# Altium PCB Kasli-DIOT.PCBDOC (part 5 of 21) (continued)
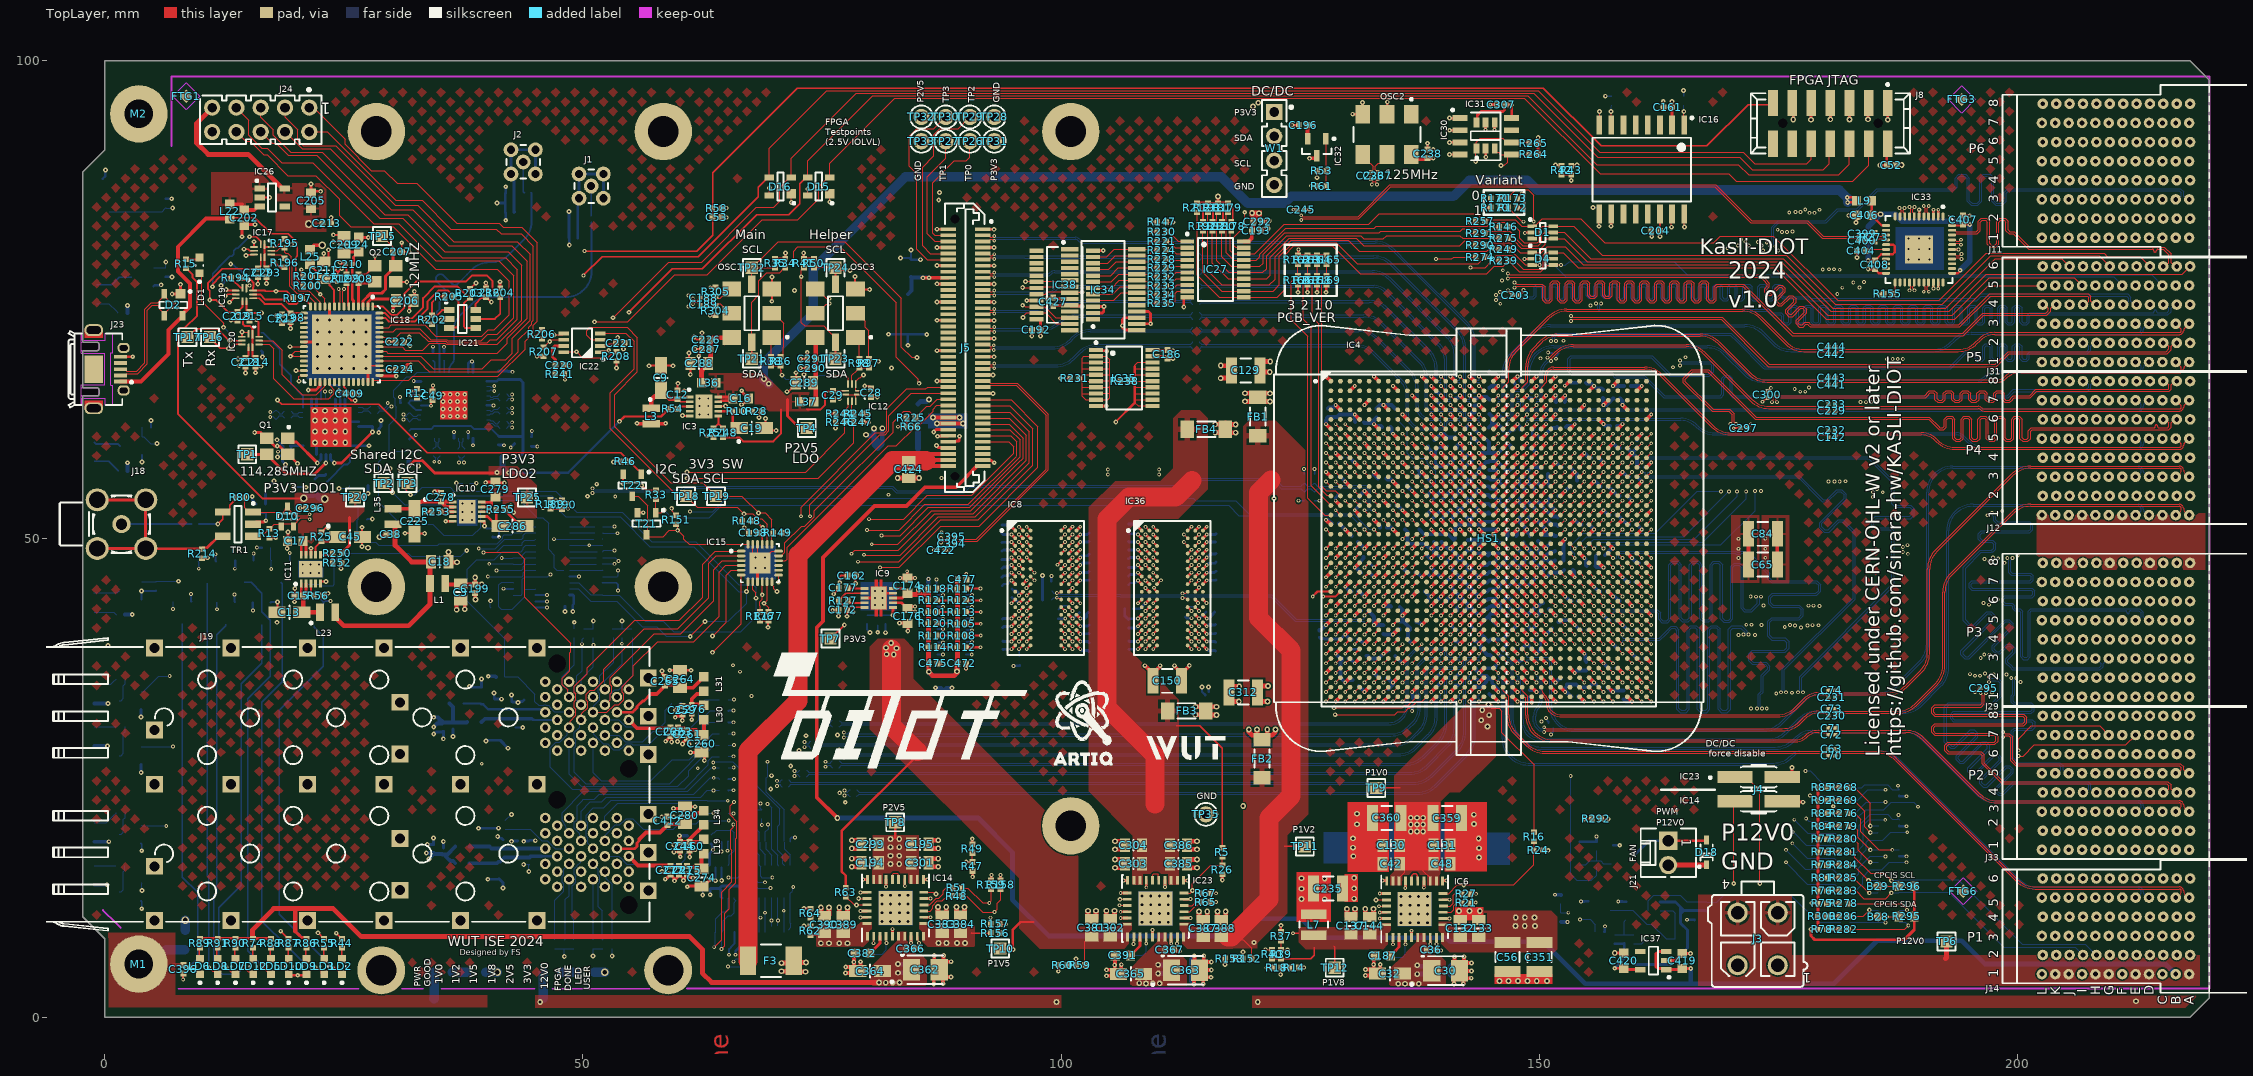
[diagram p0: TopLayer view]
## Nets (pads, with @x,y where several pads share a name; then routed paths per layer and width w, separated by ;. In a path a pad name is that pad's centre, name@x,y a point inside that pad or via, vN(x,y) a via of type N, cw(c..) or ccw(c..) an arc to the next point about the centre after c; other vN are vias at no path point) (continued)
  Layer 6 w0.127: v1(65.698,36.8) 65.713,36.815 68.385,36.815 70.675,34.525 74.663,34.525 81.013,28.175 134.306,28.175 138.25,32.119 138.25,42.102 138.703,42.555 139.255,42.555 v1(139.7,43)
CFG_TMS: D15.2 IC4.AE13 IC19.5 J8.4 | length 327.4
  TopLayer w0.125: v2(51.2,72.7) 52.953,72.7 52.968,72.685 54.685,72.685 59.6,77.6 62.975,77.6 68.75,83.375 72.475,83.375 74.675,85.575 74.675,86.845 75.363,87.533 75.363,87.563 75.6,87.8 D15.2@75.8,87.8
  TopLayer w0.127: D15.2@75.8,87.8 75.8,89.3 82.6,96.1 148.425,96.1 156.35,88.175 169.8,88.175 170.575,87.4 182.775,87.4 184.425,89.05 J8.4@184.425,91.325
  TopLayer w0.15: v2(13.05,74.75) 13.465,75.165 IC19.5@13.705,75.165
  TopLayer w0.24: v1(139.7,42) IC4.AE13@140.2,42.5
  Layer 3 w0.125: v2(13.05,74.75) 21.2,74.75 21.425,74.525 28.385,74.525 28.775,74.915 31.51,74.915 31.647,74.778 34.451,74.778 36.43,72.799 40.076,72.799 41.098,71.777 49.604,71.777 50.527,72.7 v2(51.2,72.7)
  Layer 5 w0.127: v2(51.2,72.7) 51.2,62.925 60.575,53.55 60.575,50.85 64.15,47.275 v1(64.15,34.85)
  Layer 6 w0.127: v1(64.15,34.85) 67.725,34.85 69.35,33.225 71.375,33.225 75.966,28.634 78.632,28.634 80.316,26.95 134.875,26.95 140.175,32.25 140.175,41.525 v1(139.7,42)
CK_FPGAIO_N: C6.2 IC4.R5 R210.2 R211.2 | length 106.8
  TopLayer w0.095: v1(131.7,53) IC4.R5@132.2,52.5
  Layer 3 w0.075: v1(37.551,57.998) 37.551,57.954 37.388,57.792 37.388,57.237 37.7,56.925 39.675,56.925 40.552,57.802 45.284,57.802 46.497,56.589 51.897,56.589 52.502,55.984 52.502,55.339 52.108,54.945 51.217,54.945 51.068,54.796 v1(51.011,54.796)
  BottomLayer w0.095: v1(37.551,57.998) 37.551,58.054 37.398,58.206 37.398,58.467 37.454,58.522 37.485,58.522 37.637,58.675 C6.2@37.637,58.7 ; v1(51.011,54.796) 51.15,54.935 60.335,54.935 60.693,55.293 82.293,55.293 82.758,54.828 89.853,54.828 90.428,55.403 112.996,55.403 113.718,56.125 122.175,56.125 122.525,55.775 123.025,55.275 124.813,55.275 125.11,55.275 125.166,55.219 125.166,55.169 125.409,54.926 R211.2@125.429,54.926 125.449,54.926 125.691,55.169 125.691,55.219 125.747,55.275 126.152,55.275 126.207,55.219 126.207,55.169 126.45,54.926 R210.2@126.47,54.926 126.49,54.926 126.732,55.169 126.732,55.219 126.788,55.275 129.25,55.275 129.35,55.375 131.876,55.375 132.09,55.16 132.09,53.056 132.034,53 v1(131.7,53)
CK_FPGAIO_P: C4.2 IC4.R6 R1.2 R2.2 | length 106.9
  TopLayer w0.095: v1(132.7,53) IC4.R6@133.2,52.5
  Layer 3 w0.075: v1(37.024,57.998) 37.024,57.954 37.186,57.792 37.186,57.153 37.616,56.723 39.759,56.723 40.636,57.6 45.2,57.6 46.413,56.387 51.813,56.387 52.3,55.9 52.3,55.423 52.024,55.147 51.217,55.147 51.068,55.296 v1(51.011,55.296)
  BottomLayer w0.095: C4.2@36.937,58.7 36.937,58.675 37.09,58.522 37.12,58.522 37.176,58.467 37.176,58.206 37.024,58.054 v1(37.024,57.998) ; v1(51.011,55.296) 51.15,55.157 60.243,55.157 60.601,55.515 82.385,55.515 82.85,55.05 89.761,55.05 90.336,55.625 112.904,55.625 113.626,56.347 122.267,56.347 122.839,55.775 123.117,55.497 124.721,55.497 124.905,55.497 124.906,55.496 ; v1(132.7,53) 132.366,53 132.31,53.056 132.31,55.251 131.967,55.595 129.258,55.595 129.159,55.495 126.788,55.495 126.732,55.55 126.732,55.601 126.49,55.843 R2.2@126.47,55.843 126.45,55.843 126.207,55.601 126.207,55.55 126.152,55.495 125.747,55.495 125.691,55.55 125.691,55.601 125.449,55.843 R1.2@125.429,55.843 125.409,55.843 125.166,55.601 125.166,55.55 125.11,55.495 124.905,55.495 ; 124.905,55.495 124.906,55.496
CK_GTP_125_N: C237.1 OSC2.5 | length 2.6
  TopLayer w0.095: C237.1@133.098,88.35 133.098,88.375 132.946,88.527 132.911,88.527 132.855,88.583 132.855,88.956 133.172,89.272 133.344,89.272 134.072,90 OSC2.5@134.072,90.2
CK_GTP_125_P: C236.1 OSC2.4 | length 2.5
  TopLayer w0.095: OSC2.4@131.532,90.2 131.532,90 132.259,89.272 132.325,89.272 132.633,88.964 132.633,88.583 132.577,88.527 132.543,88.527 132.39,88.375 C236.1@132.39,88.35
CK_GTP_N: C11.2 IC4.AH14 | length 125.2
  TopLayer w0.095: v1(140.7,39) IC4.AH14@141.2,39.5
  Layer 3 w0.075: v1(34.978,58.061) 34.978,58.019 34.813,57.854 34.813,56.387 35.475,55.725 36.273,54.927 44.959,54.927 47.784,52.102 55.098,52.102 57.4,49.8 58.373,48.827 70.234,48.827 72.677,46.384 72.677,40.809 78.036,35.45 126.139,35.45 127.289,36.6 132.925,36.6 133.073,36.748 133.073,38.284 133.356,38.566 140.931,38.566 141.133,38.769 141.133,39.332 141.066,39.399 140.744,39.399 140.7,39.355 v1(140.7,39)
  BottomLayer w0.095: v1(34.978,58.061) 34.978,58.117 34.825,58.269 34.825,58.447 34.9,58.522 34.944,58.522 35.096,58.675 C11.2@35.096,58.7
CK_GTP_P: C8.2 IC4.AG14 | length 126.2
  TopLayer w0.095: v1(140.7,40) IC4.AG14@141.2,40.5
  Layer 3 w0.075: v1(34.451,58.072) 34.451,58.026 34.611,57.866 34.611,56.303 35.404,55.511 36.189,54.725 44.875,54.725 47.7,51.9 55.014,51.9 57.186,49.729 58.289,48.625 70.15,48.625 72.475,46.3 72.475,40.725 77.952,35.248 126.223,35.248 127.373,36.398 133.009,36.398 133.275,36.664 133.275,38.2 133.439,38.364 141.015,38.364 141.335,38.685 141.335,39.416 141.15,39.601 140.744,39.601 140.7,39.645 v1(140.7,40)
  BottomLayer w0.095: C8.2@34.371,58.7 34.371,58.675 34.524,58.522 34.548,58.522 34.603,58.467 34.603,58.28 34.451,58.128 v1(34.451,58.072)
CKC_GTP_125_N: C237.2 IC4.AH16 | length 87
  TopLayer w0.095: v1(133.008,87.075) 133.008,87.131 132.855,87.283 132.855,87.417 132.911,87.472 132.946,87.472 133.098,87.625 C237.2@133.098,87.65 ; v1(142.7,39) IC4.AH16@143.2,39.5
  Layer 6 w0.08: v1(133.008,87.075) 133.008,87.028 132.848,86.868 132.848,80.702 132.848,77.773 127.849,72.775 119.98,72.775 115.15,67.945 115.15,65.148 116.991,63.307 117.87,63.307 119.788,61.389 125.953,61.389 126.769,60.574 133.9,60.574 134.247,60.227 134.247,60.219 134.322,60.144 134.322,57.859 134.549,57.632 143.086,57.632 143.171,57.546 143.307,57.411 143.307,39.589 143.114,39.396 142.747,39.396 142.7,39.35 v1(142.7,39)
CKC_GTP_125_P: C236.2 IC4.AG16 | length 86.6
  TopLayer w0.095: C236.2@132.39,87.65 132.39,87.625 132.543,87.472 132.577,87.472 132.633,87.417 132.633,87.283 132.481,87.131 v1(132.481,87.075) ; v1(142.7,40) IC4.AG16@143.2,40.5
  Layer 6 w0.08: v1(132.481,87.075) 132.481,87.028 132.641,86.868 132.641,80.617 132.641,77.859 127.764,72.982 119.894,72.982 114.943,68.031 114.943,65.062 116.905,63.1 117.784,63.1 119.702,61.182 125.868,61.182 126.683,60.367 133.814,60.367 134.04,60.141 134.04,60.133 134.115,60.058 134.115,57.773 134.463,57.425 143,57.425 143.025,57.4 143.1,57.325 143.1,39.675 143.028,39.603 142.747,39.603 142.7,39.65 v1(142.7,40)
CKI_FPGAIO_N: C6.1 IC1.4 | length 1.3
  BottomLayer w0.095: IC1.4@37.5,60.528 37.5,60.234 37.361,60.095 37.361,59.701 37.637,59.425 C6.1@37.637,59.4
CKI_FPGAIO_P: C4.1 IC1.5 | length 1.3
  BottomLayer w0.095: C4.1@36.937,59.4 36.937,59.425 37.139,59.627 37.139,60.095 37,60.234 IC1.5@37,60.528
CKI_GTP_N: C11.1 IC1.9 | length 1.3
  BottomLayer w0.095: IC1.9@35,60.528 35,60.234 34.861,60.095 34.861,59.66 35.096,59.425 C11.1@35.096,59.4
CKI_GTP_P: C8.1 IC1.10 | length 1.3
  BottomLayer w0.095: C8.1@34.371,59.4 34.371,59.425 34.639,59.693 34.639,60.095 34.5,60.234 IC1.10@34.5,60.528
CKIN0_N: C2.2 IC2.17 | length 1.4
  BottomLayer w0.095: C2.2@19.49,63.341 19.515,63.341 19.668,63.189 19.668,63.165 19.723,63.109 19.934,63.109 19.935,63.11 20.189,63.11 20.328,63.249 IC2.17@20.722,63.249
CKIN0_P: C1.2 IC2.16 | length 1.4
  BottomLayer w0.095: C1.2@19.49,62.654 19.515,62.654 19.668,62.807 19.668,62.831 19.723,62.887 20.026,62.887 20.027,62.888 20.189,62.888 20.328,62.749 IC2.16@20.722,62.749
CKOUT_1_N: C10.2 IC1.15 R6.2 | length 8.3
  layer 8 w0.075: v1(29.965,63.835) 30.025,63.895 30.025,64.125 30.075,64.175 31.675,64.175 32.175,63.675 32.175,63.186 31.835,62.846 31.456,62.846 31.294,63.009 v1(31.25,63.009)
  BottomLayer w0.095: C10.2@28.525,63.125 28.55,63.125 28.703,63.277 28.703,63.346 28.758,63.401 29.316,63.401 29.71,63.796 29.926,63.796 v1(29.965,63.835) ; v1(31.25,63.009) 31.28,63.009 31.432,62.856 31.557,62.856 31.613,62.912 31.613,62.973 31.855,63.215 R6.2@31.875,63.215 31.895,63.215 32.271,62.839 32.5,62.839 32.617,62.839 32.756,62.978 IC1.15@33.05,62.978
CKOUT_1_P: C7.2 IC1.14 R6.1 | length 9
  layer 8 w0.075: v1(29.592,64.208) 29.652,64.268 29.882,64.268 29.991,64.377 31.759,64.377 32.377,63.759 32.377,63.102 31.919,62.644 31.456,62.644 31.294,62.482 v1(31.25,62.482)
  BottomLayer w0.095: C7.2@28.525,63.9 28.55,63.9 28.703,63.748 28.703,63.679 28.758,63.623 29.224,63.623 29.553,63.953 29.553,64.168 v1(29.592,64.208) ; v1(31.25,62.482) 31.28,62.482 31.432,62.634 31.557,62.634 31.613,62.578 31.613,62.518 31.855,62.275 R6.1@31.875,62.275 31.895,62.275 32.237,62.617 32.408,62.617 32.617,62.617 32.756,62.478 IC1.14@33.05,62.478
CKOUT_D_1_N: C10.1 IC2.29 | length 1.5
  BottomLayer w0.095: IC2.29@26.522,63.249 26.916,63.249 27.055,63.388 27.537,63.388 27.8,63.125 C10.1@27.825,63.125
CKOUT_D_1_P: C7.1 IC2.28 | length 1.5
  BottomLayer w0.095: IC2.28@26.522,63.749 26.916,63.749 27.055,63.61 27.51,63.61 27.8,63.9 C7.1@27.825,63.9
CLK: IC18.56 IC21.4 R203.1 | length 16.7
  TopLayer w0.2: IC18.56@28.715,73.608 29.317,73.608 29.845,73.08 32.13,73.08 33.287,74.237 33.287,75.194 34.493,76.4 36.85,76.4 R203.1@38.088,75.162 ; R203.1@38.12,75.13 R203.1@38.088,75.162 ; R203.1@38.175,75.23 38.155,75.23 R203.1@38.088,75.162 ; IC21.4@38.8,72.05 37.718,72.05 37.551,72.217 37.551,74.626 R203.1@38.088,75.162
CLK_IN_N: D10.1 D10.2 IC4.P3 R13.2 TR1.3 | length 126.1
  TopLayer w0.095: TR1.3@15.515,50.272 15.847,50.605 16.733,50.605 17.201,51.073 R13.2@17.221,51.073 17.708,51.561 18.217,51.561 18.445,51.333 D10.1@18.445,51.3 ; D10.1@18.445,51.366 18.673,51.594 19.518,51.594 D10.2@19.745,51.366 ; D10.2@19.745,51.3 D10.2@19.745,51.366 ; v1(21.425,52.06) 21.369,52.06 21.217,52.212 20.507,52.212 19.745,51.45 D10.2@19.745,51.366 ; v1(129.7,54) IC4.P3@130.2,53.5
  Layer 3 w0.075: v1(21.425,52.06) 21.469,52.06 21.631,52.222 23.847,52.222 30.475,58.85 45.425,58.85 47.002,57.273 55.506,57.273 56.944,55.835 59.107,53.673 92.073,53.673 95.287,56.887 104.669,56.887 104.831,56.724 v1(104.875,56.724)
  Layer 6 w0.08: v1(104.875,56.724) 104.922,56.724 105.082,56.884 107.284,56.884 108.825,58.425 123.288,58.425 126.306,55.406 129.004,55.406 130.096,54.314 130.096,54.047 130.05,54 v1(129.7,54)
CLK_IN_P: D10.3 IC4.P4 R9.2 R80.2 TR1.1 | length 129.2
  TopLayer w0.095: R80.2@14.62,54.35 14.62,53.262 15.07,52.812 TR1.1@15.515,52.812 18.684,52.812 18.868,52.996 18.868,53.173 D10.3@19.095,53.4 19.323,53.173 19.323,53.011 19.899,52.434 21.217,52.434 21.369,52.587 v1(21.425,52.587) ; v1(130.7,54) IC4.P4@131.2,53.5
  Layer 3 w0.075: v1(21.425,52.587) 21.469,52.587 21.631,52.424 23.764,52.424 30.391,59.052 45.509,59.052 47.085,57.475 55.59,57.475 57.23,55.835 59.19,53.875 91.989,53.875 95.203,57.089 104.669,57.089 104.831,57.251 v1(104.875,57.251)
  Layer 6 w0.08: v1(104.875,57.251) 104.922,57.251 105.082,57.091 107.199,57.091 108.739,58.632 123.373,58.632 126.392,55.613 129.09,55.613 130.303,54.4 130.303,54.047 130.35,54 v1(130.7,54)
  BottomLayer w0.095: R9.2@129.97,54.7 129.97,54.68 130.65,54 v1(130.7,54)
CLK_SEL: IC1.23 IC25.8 IC29.20 R242.1 R243.2 | length 52.5
  BottomLayer w0.125: R243.2@32.8,59.17 R242.1@31.8,59.17 29.77,59.17 ; IC1.23@34,67.428 32.677,67.428 32.199,66.95 31.575,66.95 30.2,65.575 30.2,64.8 30.354,64.646 30.354,63.933 30.5,63.787 30.5,62.65 29.77,61.92 29.77,59.17 ; IC29.20@48.013,46.724 47.259,46.724 47.005,46.978 47.005,48.32 46.4,48.925 46.4,51.641 45.806,52.235 45.2,52.235 43.412,54.023 40.298,54.023 39.287,53.012 39.287,51.187 38.5,50.4 35.425,50.4 34.277,51.548 30.956,51.548 28.674,53.83 28.674,58.074 29.77,59.17 ; IC29.20@48.597,46.725 IC25.8@52.047,46.725 IC25.8@52.125,46.803
CLKREC_N: C2.1 IC4.P10 R3.1 | length 130.3
  TopLayer w0.095: v1(136.7,54) IC4.P10@137.2,53.5
  Layer 3 w0.075: v1(17.3,63.268) 17.344,63.268 17.506,63.106 18.38,63.106 20.25,61.236 20.25,60.236 21.418,59.068 21.561,58.925 28.289,58.925 29.841,60.477 45.709,60.477 47.486,58.7 55.752,58.7 58.827,55.625 92.045,55.625 94.297,57.877 106.284,57.877 106.593,57.568 106.664,57.496 106.85,57.311 107.072,57.089 110.044,57.089 110.206,57.251 v1(110.25,57.251)
  Layer 6 w0.08: v1(110.25,57.251) 110.337,57.251 110.492,57.096 115.166,57.096 123.223,57.096 125.509,54.811 127.234,54.811 128.441,53.604 136.653,53.604 136.7,53.65 v1(136.7,54)
  BottomLayer w0.095: v1(17.3,63.268) 17.383,63.268 17.476,63.175 17.589,63.175 17.889,63.475 R3.1@17.909,63.475 17.929,63.475 18.171,63.232 18.171,63.171 18.234,63.109 18.557,63.109 18.612,63.165 18.612,63.189 18.765,63.341 C2.1@18.79,63.341
CLKREC_P: C1.1 IC4.R10 R3.2 | length 130.3
  TopLayer w0.095: v1(136.7,53) IC4.R10@137.2,52.5
  Layer 3 w0.075: v1(17.3,62.741) 17.344,62.741 17.506,62.904 18.296,62.904 18.6,62.6 18.743,62.457 20.048,61.152 20.048,60.152 20.107,60.093 21.359,58.841 21.477,58.723 28.373,58.723 29.925,60.275 45.625,60.275 47.402,58.498 55.668,58.498 58.743,55.423 92.129,55.423 94.381,57.675 106.2,57.675 106.648,57.227 106.988,56.887 110.044,56.887 110.206,56.724 v1(110.25,56.724)
  Layer 6 w0.08: v1(110.25,56.724) 110.337,56.724 110.501,56.889 115.251,56.889 122.037,56.889 123.138,56.889 125.424,54.604 127.148,54.604 128.355,53.397 136.653,53.397 136.7,53.35 v1(136.7,53)
  BottomLayer w0.095: v1(17.3,62.741) 17.383,62.741 17.477,62.836 17.588,62.836 17.889,62.535 R3.2@17.909,62.535 17.929,62.535 18.171,62.777 18.171,62.831 18.227,62.887 18.557,62.887 18.612,62.831 18.612,62.807 18.765,62.654 C1.1@18.79,62.654
Coaxpress_ret: IC4.AJ10 R175.1 | length 100.6
  TopLayer w0.127: IC4.AJ10@137.2,38.5 v1(137.7,39)
  Layer 6 w0.125: v1(68.699,20.097) 68.699,20.664 72.749,24.714 77.189,24.714 77.818,25.343 135.245,25.343 142.173,32.272 142.173,43.161 141.801,43.534 137.745,43.534 137.336,43.125
  Layer 6 w0.127: 137.336,43.125 137.2,42.988 137.2,40.198 137.7,39.698 v1(137.7,39)
  BottomLayer w0.125: v1(68.699,20.097) R175.1@68.699,20.74
CS: IC18.1 IC21.5 R204.1 | length 22.3
  TopLayer w0.2: IC18.1@28.015,74.308 29.092,74.308 29.441,73.959 ; 29.441,73.958 29.974,73.425 30.557,73.425 31.311,74.179 31.311,75.66 32.564,76.913 37.761,76.913 38.398,77.55 39.951,77.55 40.544,76.958 40.544,76.057 41.13,75.47 41.16,75.47 R204.1@41.35,75.28 41.35,73.554 40.796,73 IC21.5@38.8,73
DDR_A00: IC4.AH1 IC8.N3 IC36.N3 R101.1 | length 46
  TopLayer w0.22: R101.1@87.05,42.356 v1(88.481,42.356) v1@88.55,42.356 ; v1(96.403,40.875) 96.803,41.275 IC8.N3@96.8,41.275 ; v1@109.628,40.875 110.028,41.275 IC36.N3@110.025,41.275 ; v1(127.7,39) IC4.AH1@128.2,39.5
  layer 8 w0.15: v1@88.55,42.356 88.826,42.08 91.208,42.08 92.036,41.252 96.026,41.252 v1(96.403,40.875) 96.78,40.498 109.251,40.498 v1(109.628,40.875) 110.002,40.501 118.399,40.501 119.396,39.504 121,39.504 121.075,39.504 121.174,39.603 121.174,39.779 121.272,39.877 121.733,39.877 121.832,39.779 121.832,39.229 121.93,39.131 122.391,39.131 122.49,39.229 122.49,39.779 122.588,39.877 123.049,39.877 123.148,39.779 123.148,39.603 123.246,39.504 123.5,39.504 125.896,39.504 126.4,39 126.9,39 v1(127.7,39)
DDR_A01: IC4.AG5 IC8.P7 IC36.P7 R102.1 | length 48.7
  TopLayer w0.22: IC8.P7@100,40.475 100,40.478 v1(100.4,40.078) ; IC36.P7@113.225,40.475 113.225,40.478 v1(113.625,40.078) ; v1(131.7,40) IC4.AG5@132.2,40.5
  Layer 5 w0.16: v1(90.668,40.451) 90.674,40.457 91.8,40.457 93.398,42.055 94.96,42.055 94.99,42.025 95,42.025 95.03,42.055 96.633,42.055 98.61,40.078 v1(100.4,40.078) 100.782,40.46 102.315,40.46 102.664,40.111 107.287,40.111 107.703,39.695 110.217,39.695 110.6,40.078 v1(113.625,40.078) 114.007,39.696 115.273,39.696 115.311,39.658 115.397,39.658 116.182,38.873 117.181,38.873 118.661,40.353 119.664,40.353 121.074,38.943 122.56,38.943 123.864,40.247 124.618,40.247 125.936,38.93 126.887,38.93 127.341,39.384 131.084,39.384 v1@131.608,39.908
  BottomLayer w0.22: R102.1@90.09,40.451 v1(90.668,40.451)
DDR_A02: IC4.AH3 IC8.P3 IC36.P3 R103.1 | length 46.4
  TopLayer w0.22: v1(96.403,40.075) 96.803,40.475 IC8.P3@96.8,40.475 ; v1(109.628,40.075) 110.028,40.475 IC36.P3@110.025,40.475 ; v1(129.7,39) IC4.AH3@130.2,39.5
  layer 8 w0.15: v1(87.628,39.175) 89.175,39.175 89.627,39.627 91.298,39.627 91.423,39.501 92.601,39.501 93.552,40.452 96.026,40.452 v1(96.403,40.075) 96.823,39.655 109.208,39.655 v1(109.628,40.075) 110.002,39.701 117.899,39.701 119.025,38.575 129.275,38.575 v1(129.7,39)
  BottomLayer w0.22: R103.1@87.05,39.175 v1(87.628,39.175)
DDR_A03: IC4.AF3 IC8.N2 IC36.N2 R104.1 | length 43.5
  TopLayer w0.22: v1(95.603,40.875) 96.003,41.275 IC8.N2@96,41.275 ; v1@108.828,40.875 109.228,41.275 IC36.N2@109.225,41.275 ; v1(129.7,41) IC4.AF3@130.2,41.5
  Layer 3 w0.15: v1(90.668,41.678) 90.736,41.678 90.847,41.568 92.878,41.568 93.194,41.252 95.226,41.252 v1(95.603,40.875) 95.983,41.255 108.448,41.255 v1(108.828,40.875) 109.208,41.255 116.075,41.255 118.9,41.255 124.707,41.255 124.782,41.255 124.913,41.386 124.913,41.469 125.045,41.601 125.44,41.601 125.571,41.469 125.571,41.04 125.703,40.909 126.098,40.909 126.229,41.04 126.229,41.123 126.361,41.255 126.634,41.255 127.088,41.255 127.333,41.5 129.2,41.5 v1(129.7,41)
  BottomLayer w0.22: R104.1@90.09,41.678 v1(90.668,41.678)
DDR_A04: IC4.AF8 IC8.P8 IC36.P8 R105.1 | length 48.4
  TopLayer w0.22: R105.1@90.09,41.13 v1(91.59,41.13) ; IC8.P8@100.8,40.475 100.8,40.478 v1(101.2,40.078) ; IC36.P8@114.025,40.475 114.025,40.478 v1(114.425,40.078) ; v1(134.7,41) IC4.AF8@135.2,41.5
  Layer 6 w0.16: v1(91.59,41.13) 93.864,41.13 94.5,40.493 100.785,40.493 v1(101.2,40.078) 101.553,39.725 101.815,39.725 101.845,39.695 114.042,39.695 v1(114.425,40.078) 114.845,39.658 122.865,39.658 122.903,39.62 130.857,39.62 131.2,39.963 131.2,40.037 131.616,40.454 132.729,40.454 133.1,40.825 133.1,40.937 133.543,41.38 134.32,41.38 v1(134.7,41)
DDR_A05: IC4.AG2 IC8.P2 IC36.P2 R106.1 | length 47
  TopLayer w0.22: v1(95.603,40.075) 96.003,40.475 IC8.P2@96,40.475 ; v1(108.828,40.075) 109.228,40.475 IC36.P2@109.225,40.475 ; v1(128.7,40) IC4.AG2@129.2,40.5
  Layer 3 w0.15: v1(87.654,40.57) 89.77,40.57 90.053,40.853 91.298,40.853 91.424,40.728 92.676,40.728 92.952,40.452 95.226,40.452 v1(95.603,40.075) 95.983,40.455 108.448,40.455 v1(108.828,40.075) 109.208,40.455 120.188,40.455 120.725,40.455 120.8,40.455 120.899,40.553 120.899,40.729 120.997,40.828 121.458,40.828 121.557,40.729 121.557,40.18 121.655,40.081 122.116,40.081 122.215,40.18 122.215,40.729 122.313,40.828 122.774,40.828 122.873,40.729 122.873,40.18 122.971,40.081 123.432,40.081 123.531,40.18 123.531,40.356 123.629,40.455 123.9,40.455 128.045,40.455 128.3,40.2 128.432,40.2 128.632,40 v1(128.7,40)
  BottomLayer w0.22: R106.1@87.076,40.57 v1(87.654,40.57)
DDR_A06: IC4.AG6 IC8.R8 IC36.R8 R107.1 | length 47.8
  TopLayer w0.22: IC8.R8@100.8,39.675 100.8,39.678 v1(101.2,39.278) ; IC36.R8@114.025,39.675 114.025,39.678 v1(114.425,39.278) ; v1(132.7,40) IC4.AG6@133.2,40.5
  Layer 6 w0.16: v1(90.661,39.225) 92.025,39.225 92.46,39.66 100.818,39.66 v1(101.2,39.278) 101.585,38.893 114.04,38.893 v1(114.425,39.278) 114.805,38.898 115.436,38.898 116.241,38.093 117.779,38.093 118.579,38.893 120.315,38.893 121.115,38.093 123.005,38.093 123.81,38.898 124.956,38.898 125.746,38.108 127.065,38.108 127.482,38.525 130.762,38.525 131.306,39.069 131.306,39.144 131.756,39.593 132.293,39.593 v1(132.7,40)
  BottomLayer w0.22: R107.1@90.083,39.225 v1(90.661,39.225)
DDR_A07: IC4.AG4 IC8.R2 IC36.R2 R108.1 | length 44
  TopLayer w0.22: R108.1@90.09,39.903 v1(91.59,39.903) ; v1(95.603,39.275) 96.003,39.675 IC8.R2@96,39.675 ; v1(108.828,39.275) 109.228,39.675 IC36.R2@109.225,39.675 ; v1(130.7,40) IC4.AG4@131.2,40.5
  Layer 3 w0.15: v1(91.59,39.903) 92.595,38.898 95.226,38.898 v1(95.603,39.275) 95.98,38.898 108.451,38.898 v1(108.828,39.275) 109.205,38.898 126.998,38.898 127.502,39.402 130.103,39.402 v1(130.7,40)
DDR_A08: IC4.AJ4 IC8.T8 IC36.T8 R109.1 | length 47.1
  TopLayer w0.22: IC8.T8@100.8,38.875 100.8,38.878 v1(101.2,38.478) ; IC36.T8@114.025,38.875 114.025,38.878 v1(114.425,38.478) ; v1(130.7,38) IC4.AJ4@131.2,38.5
  layer 8 w0.15: v1(90.648,37.93) 100.652,37.93 v1(101.2,38.478) 101.678,38 113.947,38 v1(114.425,38.478) 115.014,37.889 115.067,37.836 115.207,37.836 115.331,37.96 115.47,37.96 115.796,37.635 115.796,37.495 115.408,37.107 115.408,36.967 115.734,36.641 115.873,36.641 115.997,36.766 116.137,36.766 116.281,36.622 116.328,36.575 116.675,36.575 116.75,36.575 116.849,36.674 116.849,36.85 116.947,36.948 117.408,36.948 117.507,36.85 117.507,36.674 117.605,36.575 118.225,36.575 118.3,36.575 118.432,36.707 118.432,36.789 118.563,36.921 118.958,36.921 119.09,36.789 119.09,36.361 119.221,36.229 119.616,36.229 119.748,36.361 119.748,36.443 119.879,36.575 120.6,36.575 126.4,36.575 127.325,37.5 130.2,37.5 v1(130.7,38)
  BottomLayer w0.22: R109.1@90.07,37.93 v1(90.648,37.93)
DDR_A09: IC4.AG1 IC8.R3 IC36.R3 R110.1 | length 47.5
  TopLayer w0.22: R110.1@87.05,39.903 v1(88.481,39.903) v1@88.55,39.903 ; v1(96.403,39.275) 96.803,39.675 IC8.R3@96.8,39.675 ; v1(109.628,39.275) 110.028,39.675 IC36.R3@110.025,39.675 ; v1(127.7,40) IC4.AG1@128.2,40.5
  Layer 3 w0.15: v1@88.55,39.903 90.688,39.903 91.09,40.305 91.757,40.305 92.41,39.652 96.026,39.652 v1(96.403,39.275) 96.783,39.655 109.248,39.655 v1(109.628,39.275) 110.008,39.655 110.325,39.655 110.4,39.655 110.499,39.753 110.499,39.867 110.597,39.965 111.058,39.965 111.157,39.867 111.157,39.464 111.255,39.366 111.716,39.366 111.815,39.464 111.815,39.867 111.913,39.965 112.374,39.965 112.473,39.867 112.473,39.464 112.571,39.366 113.032,39.366 113.131,39.464 113.131,39.556 113.229,39.655 113.675,39.655 115.975,39.655 116.05,39.655 116.182,39.786 116.182,39.869 116.313,40.001 116.708,40.001 116.84,39.869 116.84,39.44 116.971,39.309 117.366,39.309 117.498,39.44 117.498,39.869 117.629,40.001 118.024,40.001 118.156,39.869 118.156,39.44 118.287,39.309 118.682,39.309 118.814,39.44 118.814,39.523 118.945,39.655 119.025,39.655 126.945,39.655 126.95,39.65 127.275,39.975 127.675,39.975 v1(127.7,40)
DDR_A10: IC4.AD6 IC8.L7 IC36.L7 R111.1 | length 51.6
  TopLayer w0.22: IC8.L7@100,42.875 100,42.878 v1(100.4,42.478) ; IC36.L7@113.225,42.875 113.225,42.878 v1(113.625,42.478) ; v1(132.7,43) IC4.AD6@133.2,43.5
  Layer 5 w0.16: v1(87.628,44.155) 90.07,44.155 90.473,43.752 91.221,43.752 91.433,43.963 93.941,43.963 94.194,43.71 96.703,43.71 97.935,42.478 v1(100.4,42.478) 100.726,42.478 100.82,42.384 100.82,42.32 101.045,42.095 110.269,42.095 110.652,42.478 v1(113.625,42.478) 114.007,42.86 115.95,42.86 116.03,42.86 116.13,42.96 116.13,43.1 116.23,43.2 116.698,43.2 116.798,43.1 116.798,42.587 116.898,42.486 117.366,42.486 117.466,42.587 117.466,43.1 117.566,43.2 118.034,43.2 118.134,43.1 118.134,42.587 118.234,42.486 118.702,42.486 118.802,42.587 118.802,42.76 118.902,42.86 119.2,42.86 126.66,42.86 127.3,43.5 132.2,43.5 v1(132.7,43)
  BottomLayer w0.22: R111.1@87.05,44.155 v1(87.628,44.155)
DDR_A11: IC4.AJ1 IC8.R7 IC36.R7 R112.1 | length 46
  TopLayer w0.22: R112.1@90.07,38.676 v1(91.57,38.676) ; IC8.R7@100,39.675 100,39.678 v1(100.4,39.278) ; IC36.R7@113.225,39.675 113.225,39.678 v1(113.625,39.278) ; v1(127.7,38) IC4.AJ1@128.2,38.5
  layer 8 w0.15: v1(91.57,38.676) 92.778,38.676 93,38.898 100.02,38.898 v1(100.4,39.278) 100.78,38.898 113.245,38.898 v1(113.625,39.278) 114.003,38.9 117.2,38.9 118.65,37.45 119.425,37.45 119.5,37.45 119.599,37.549 119.599,37.725 119.697,37.823 120.158,37.823 120.257,37.725 120.257,37.175 120.355,37.077 120.816,37.077 120.915,37.175 120.915,37.725 121.013,37.823 121.474,37.823 121.573,37.725 121.573,37.175 121.671,37.077 122.132,37.077 122.231,37.175 122.231,37.725 122.329,37.823 122.79,37.823 122.889,37.725 122.889,37.175 122.987,37.077 123.448,37.077 123.547,37.175 123.547,37.725 123.645,37.823 124.106,37.823 124.205,37.725 124.205,37.175 124.303,37.077 124.764,37.077 124.863,37.175 124.863,37.351 124.961,37.45 125.325,37.45 126.325,37.45 126.875,38 127.3,38 v1(127.7,38)
DDR_A12: IC4.AD4 IC8.N7 IC36.N7 R113.1 | length 47.9
  TopLayer w0.22: R113.1@90.09,42.356 v1(91.59,42.356) ; IC8.N7@100,41.275 100,41.278 v1(100.4,40.878) ; IC36.N7@113.225,41.275 113.225,41.278 v1(113.625,40.878) ; v1(130.7,43) IC4.AD4@131.2,43.5
  Layer 5 w0.16: v1(91.59,42.356) 93.244,42.356 93.742,42.855 96.562,42.855 98.54,40.878 v1(100.4,40.878) 100.782,41.26 110.088,41.26 110.47,40.878 v1(113.625,40.878) 114.043,41.296 124.295,41.296 124.375,41.296 124.475,41.396 124.475,41.569 124.575,41.669 125.043,41.669 125.143,41.569 125.143,41.023 125.243,40.922 125.711,40.922 125.811,41.023 125.811,41.569 125.911,41.669 126.379,41.669 126.479,41.569 126.479,41.396 126.579,41.296 126.9,41.296 127.171,41.296 127.35,41.475 130.925,41.475 131.2,41.75 131.2,42.55 130.75,43 v1(130.7,43)
DDR_A13: IC4.AH4 IC8.T3 IC36.T3 R114.1 | length 46.9
  TopLayer w0.22: R114.1@87.07,38.676 v1(88.481,38.676) v1@88.57,38.676 ; v1(96.403,38.475) 96.803,38.875 IC8.T3@96.8,38.875 ; v1(109.628,38.475) 110.028,38.875 IC36.T3@110.025,38.875 ; v1(130.7,39) IC4.AH4@131.2,39.5
  Layer 3 w0.15: v1(88.481,38.676) 90.724,38.676 91.325,38.075 96.003,38.075 v1(96.403,38.475) 96.778,38.1 108.983,38.1 109.008,38.125 109.278,38.125 v1(109.628,38.475) 110.128,37.975 126.275,37.975 126.75,38.45 130.15,38.45 v1(130.7,39)
DDR_A14: IC4.AH6 IC8.T7 IC36.T7 R115.1 | length 51.2
  TopLayer w0.22: IC8.T7@100,38.875 100,38.878 v1(100.4,38.478) ; IC36.T7@113.225,38.875 113.225,38.878 v1(113.625,38.478) ; v1(132.7,39) IC4.AH6@133.2,39.5
  Layer 6 w0.16: v1(87.628,37.93) 88.033,37.525 93.125,37.525 94.457,38.857 100.021,38.857 v1(100.4,38.478) 100.785,38.093 113.24,38.093 v1(113.625,38.478) 114.628,37.475 132.875,37.475 133.293,37.893 133.293,38.407 v1(132.7,39)
  BottomLayer w0.22: R115.1@87.05,37.93 v1(87.628,37.93)
DDR_BA0: IC4.AE1 IC8.M2 IC36.M2 R120.1 | length 46.9
  TopLayer w0.22: R120.1@87.031,41.188 v1(88.481,41.188) v1@88.531,41.188 ; v1(95.603,41.675) 96.003,42.075 IC8.M2@96,42.075 ; v1(108.828,41.675) 109.228,42.075 IC36.M2@109.225,42.075 ; v1(127.7,42) IC4.AE1@128.2,42.5
  Layer 3 w0.15: v1@88.531,41.188 88.542,41.2 89.3,41.2 90.18,42.08 90.835,42.08 90.961,41.954 91.757,41.954 91.854,42.052 95.226,42.052 v1(95.603,41.675) 95.983,42.055 108.448,42.055 v1(108.828,41.675) 109.208,42.055 109.591,42.055 110.324,42.055 110.423,41.956 110.423,41.78 110.522,41.681 110.982,41.681 111.081,41.78 111.081,42.329 111.18,42.428 111.64,42.428 111.739,42.329 111.739,41.78 111.838,41.681 112.298,41.681 112.397,41.78 112.397,41.956 112.496,42.055 113.21,42.055 113.444,42.055 113.48,42.09 113.79,42.09 ; 113.791,42.089 119.949,42.089 119.984,42.055 120.059,42.055 120.157,42.153 120.157,42.279 120.256,42.378 120.717,42.378 120.815,42.279 120.815,41.83 120.914,41.731 121.375,41.731 121.473,41.83 121.473,42.279 121.572,42.378 122.033,42.378 122.131,42.279 122.131,42.153 122.23,42.055 122.4,42.055 127.487,42.055 127.494,42.048 127.652,42.048 v1(127.7,42)
DDR_BA1: IC4.AE7 IC8.N8 IC36.N8 R121.1 | length 51.9
  TopLayer w0.22: R121.1@87.05,43.583 v1(88.481,43.583) v1@88.55,43.583 ; IC8.N8@100.8,41.275 100.8,41.278 v1(101.2,40.878) ; IC36.N8@114.025,41.275 114.025,41.278 v1(114.425,40.878) ; v1(133.7,42) IC4.AE7@134.2,42.5
  Layer 6 w0.16: v1(88.481,43.583) 89.864,42.2 91.171,42.2 91.656,41.715 94.045,41.715 94.5,41.26 100.818,41.26 v1(101.2,40.878) 101.585,40.493 114.04,40.493 v1(114.425,40.878) 114.807,41.26 115.441,41.26 116.247,40.454 117.483,40.454 118.03,41 120.698,41 121.205,40.493 123.349,40.493 123.731,40.875 125.878,40.875 125.928,40.825 126.26,40.493 130.526,40.493 131.513,41.48 132.23,41.48 132.75,42 v1(133.7,42)